# KiCad board EPS.kicad_pcb (continued)
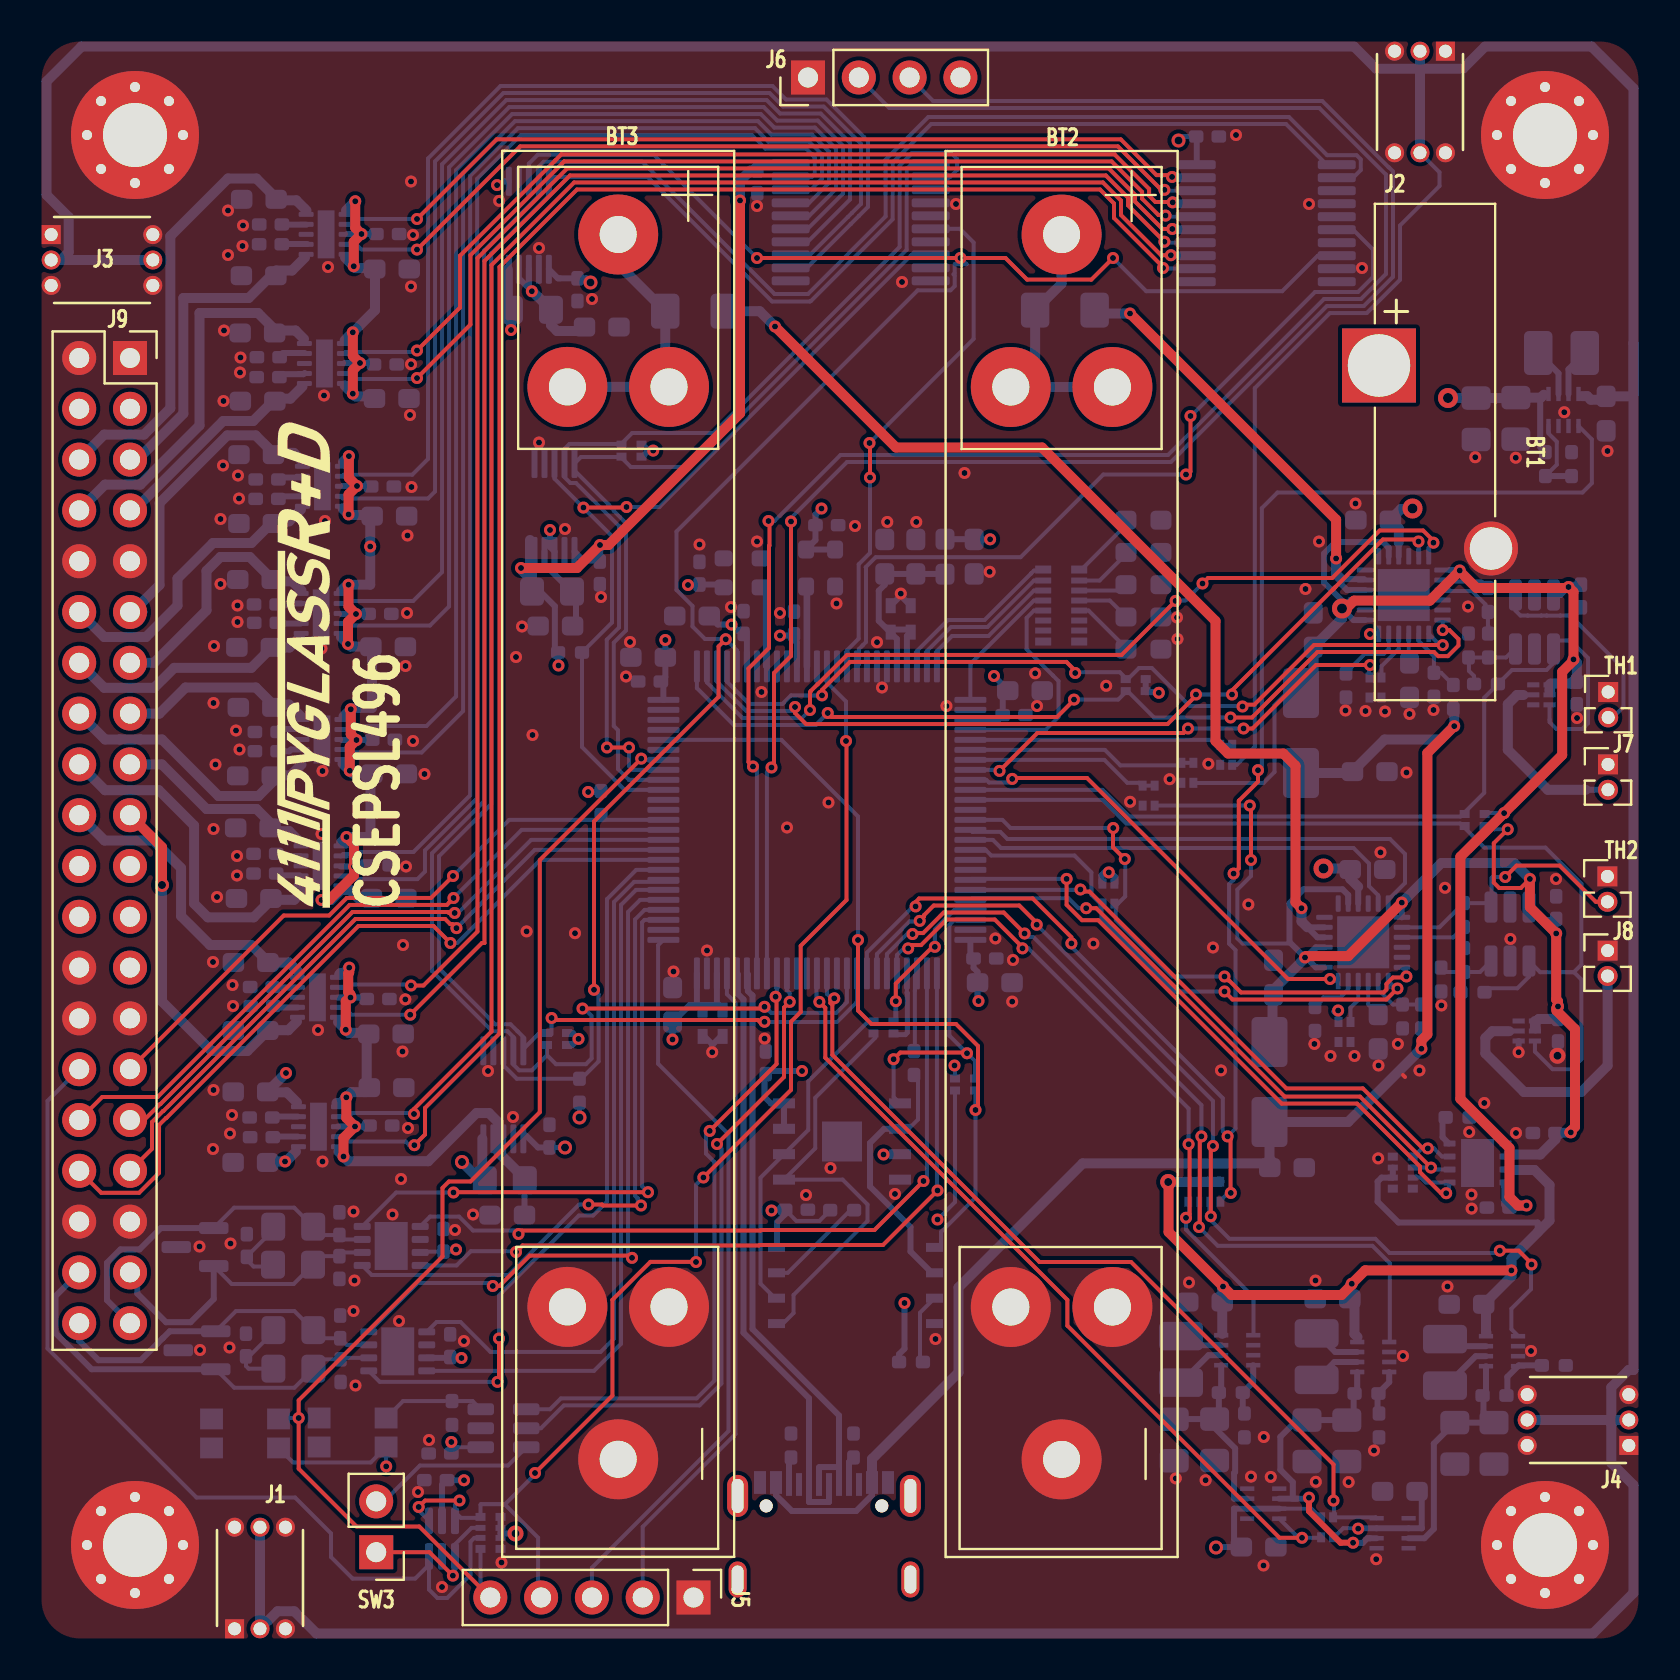
[diagram p0: board, top side]
## Routing (per net, layer and track width the routed paths; a pad name or vN(x,y) marks a point on that pad's centre or on a via; arc(x,y) is an arc through that point) (continued)
Net-(C37-Pad1): length 3.6
  Bottom w0.2: C37.1 10.3,13.7 10.44,13.56 R9.1 ; 11.67,15.39 10.46,14.18
Net-(D1-A): length 3.2
  Bottom w0.2: 54.3,55.75 52.03,53.47
Net-(D2-A): length 2.8
  Bottom w0.2: 54.3,54.29 52.98,52.97 52.03,52.97
Net-(D3-A): length 2
  Bottom w0.2: 54.04,52.47 52.03,52.47
Net-(D4-A): length 2.6
  Bottom w0.2: 54.3,51.17 53.49,51.97 52.03,51.97
Net-(D5-A): length 3
  Bottom w0.2: 52.03,51.47 52.43,51.47 54.3,49.6
Net-(J7-Pin_2): length 9.1
  Bottom w0.3: 77.29,42.51 J7.2
  Bottom w0.5: 77.29,42.51 75.39,42.51 73.39,44.51 73.39,46.79 73.85,47.25 74.18,47.25
Net-(J8-Pin_2): length 14
  Bottom w0.5: 73.46,30.44 72.61,30.44 72.27,30.1 72.27,29.33 74.2,27.4 77.06,27.4 78.38,28.72 J8.2
Net-(J10-CC1_A): length 1.4
  Bottom w0.3: R29.1 40.45,8.9 J10.A5
Net-(J10-CC2_B): length 1.3
  Bottom w0.3: 37.45,9.03 J10.B5
Net-(U1-CT1): length 1.1
  Bottom w0.3: 12.17,70.77 13.32,70.77
Net-(U1-CT2): length 1.2
  Bottom w0.3: 12.17,69.8 13.36,69.8
Net-(U2-CT1): length 1.1
  Bottom w0.3: 12.14,64.35 13.23,64.35
Net-(U2-CT2): length 1.2
  Bottom w0.3: 12.04,63.29 13.17,63.29 13.23,63.35
Net-(U3-DELAY/M_RST): length 5
  Bottom w0.2: 20.6,11.72 20.83,11.95 21.63,11.95 U3.3 ; SW2.1 18.15,11.95 20.23,11.95
Net-(U3-~{RST}): length 8.3
  Bottom w0.2: U3.6 23.4,8.72 19,8.72 17.18,6.91
Net-(U11-PROG): length 3.4
  Bottom w0.2: U11.23 67.44,49.55 67.19,49.3 66.23,49.3 65.3,48.37
Net-(U11-TIMER): length 1.4
  Bottom w0.2: U11.21 68.44,48.9
Net-(U11-WALL): length 3.5
  Bottom w0.2: R12.1 70.06,48.36 R13.2 69.7,49.19 68.94,49.95 U11.20
Net-(U12-PROG): length 2.5
  Bottom w0.2: R17.2 64.17,32.07 64.17,32.12 64.18,32.12 65.02,32.12 65.41,32.52 U12.23
Net-(U12-TIMER): length 1.9
  Bottom w0.2: C53.1 66.41,31.78 U12.21
Net-(U12-WALL): length 2.9
  Bottom w0.2: U12.20 66.91,32.51 67.65,31.78 69.07,31.78
Net-(U14-+): length 3.7
  Bottom w0.2: 73.6,49.42 73.3,49.13 R19.2 ; 72.41,49.12 71.43,49.12 ; 71.45,49.11 71.45,48.46 71.7,48.2 R18.2
Net-(U16-+): length 3.7
  Bottom w0.2: R23.2 72,33.4 U16.3 ; R23.2 70.28,33.4 R24.1 ; R23.2 71.19,32.55
Net-(U17-ILIM): length 1.3
  Bottom w0.3: 70.44,24.83 70.13,25.14 70.13,25.97
Net-(U18-CT1): length 1.2
  Bottom w0.3: 13.13,58.2 13.06,58.12 11.97,58.12
Net-(U18-CT2): length 1.2
  Bottom w0.3: 11.95,57.19 13.12,57.19
Net-(U19-CT1): length 1.2
  Bottom w0.3: U19.9 12.35,51.83 12.27,51.74 11.88,51.74
Net-(U19-CT2): length 1.2
  Bottom w0.3: 11.85,50.83 13.03,50.83
Net-(U20-CT1): length 1.1
  Bottom w0.3: 11.91,45.55 13.04,45.55
Net-(U20-CT2): length 1.2
  Bottom w0.3: U20.7 12.55,44.53 12.46,44.44 11.94,44.44
Net-(U21-CT1): length 1.2
  Bottom w0.3: 11.85,39.2 13.01,39.2
Net-(U21-CT2): length 1.1
  Bottom w0.3: 11.85,38.23 12.97,38.23
Net-(U22-HOLD#/IO3): length 5
  Bottom w0.2: 40.52,21.49 37.39,18.36 U22.7
Net-(U22-WP#/IO2): length 3.3
  Bottom w0.2: 44.72,17.09 44,16.36 44,14.05
Net-(U23-CT1): length 1.2
  Bottom w0.3: 12.88,32.62 11.7,32.62
Net-(U23-CT2): length 1.1
  Bottom w0.3: 12.88,31.62 11.74,31.62
Net-(U24-CT1): length 1.2
  Bottom w0.3: 12.88,26.17 11.7,26.17
Net-(U24-CT2): length 1.1
  Bottom w0.3: 12.88,25.17 11.74,25.17

## Copper pours and planes (outline as drawn; the poured copper is in the pictures)
+3V3_CORE on In2.Cu: -11.98,88.38 -11.98,-7.95 98.05,-7.95 98.32,-7.68 98.32,85.8 95.75,88.38
/3V3_EPS_FLASH on In2.Cu: 45.53,22.17 43.47,16.08 36.17,21.05 36.17,21.97
/3V3_EPS_MRAM on In2.Cu: 43.81,31.3 43.8,22.17 36.45,22.1 36.45,31.28
GND on Top, Bottom, In1.Cu: -11.21,-7.95 -11.98,88.38 92.24,86.59 90.21,-13.81

## Text on the board
B.Silkscreen: BOOT | RESET
F.Silkscreen: CSEPSL496
